# Altium PCB EgSA-Cube3.PcbDoc (part 1 of 2)
Units mm, origin at the board's own origin, x right, y up, seen from the top; angles counter-clockwise.
Board outline 152.4 x 101.6 mm, 2 copper layers (Top Layer, Bottom Layer); 172 components, 181 nets, 506 pads, 175 vias.
Unrouted connection lines stored in the file: 5.
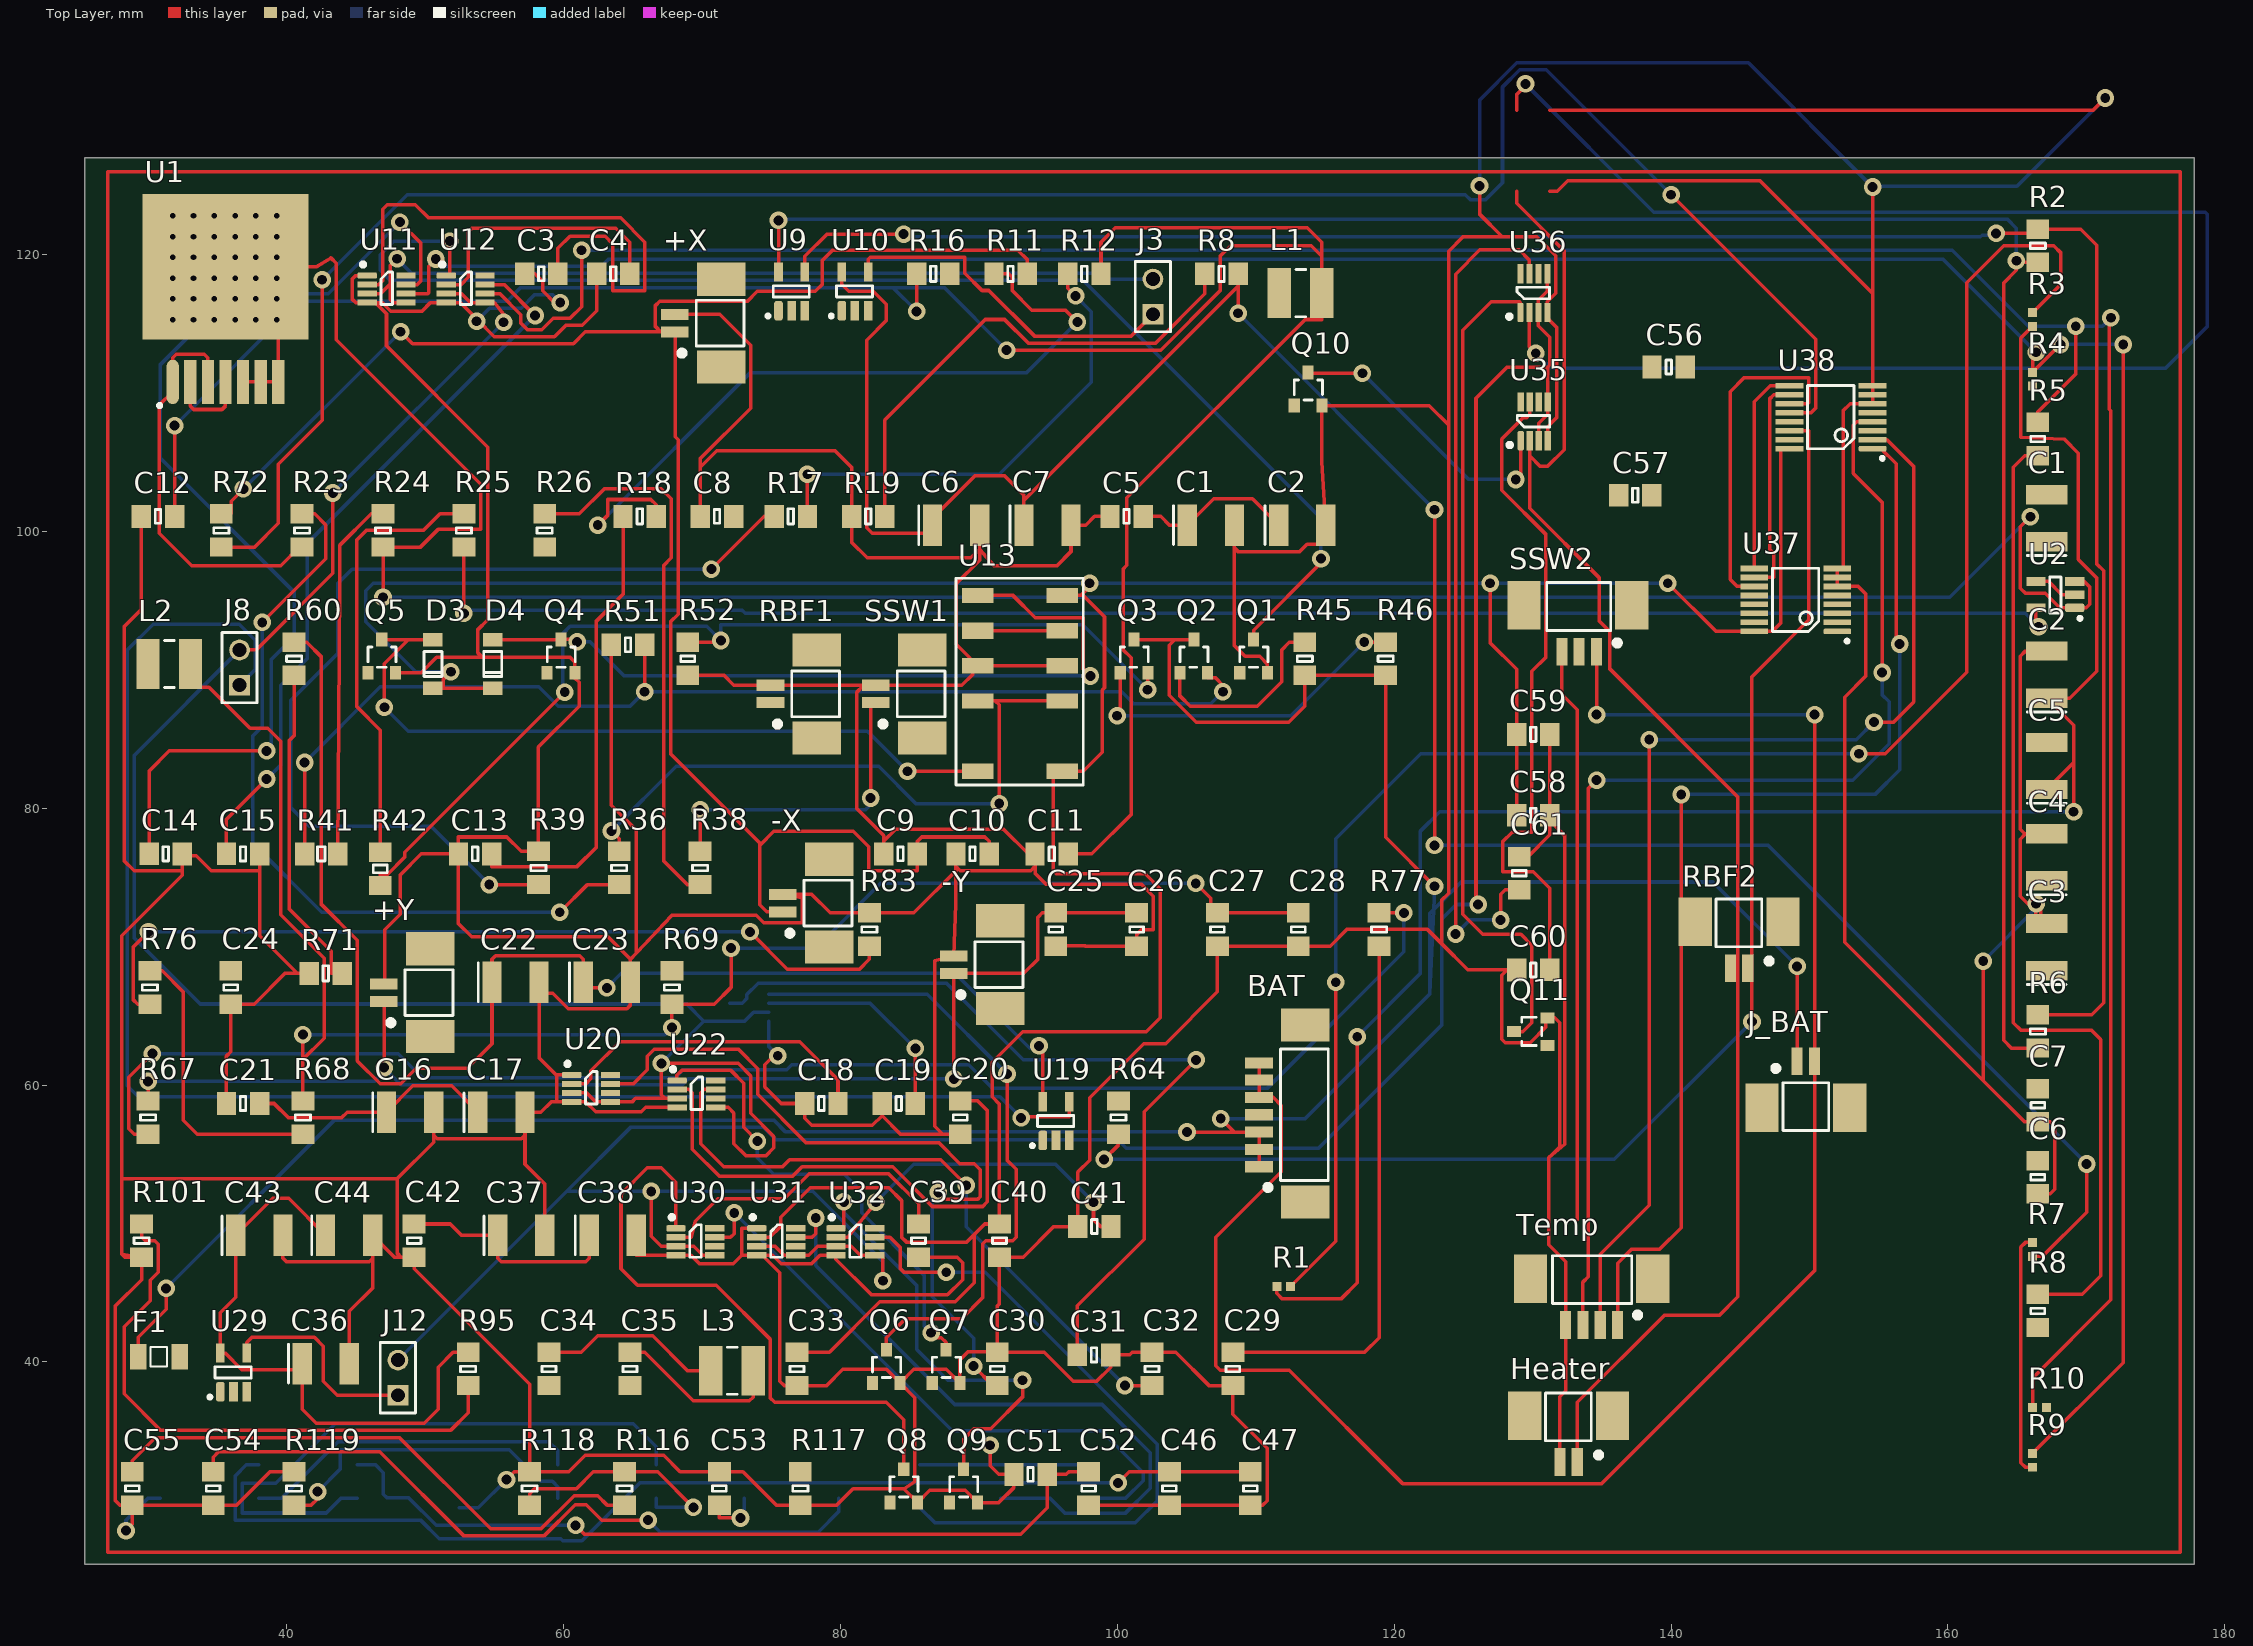
[diagram p0: Top Layer view]
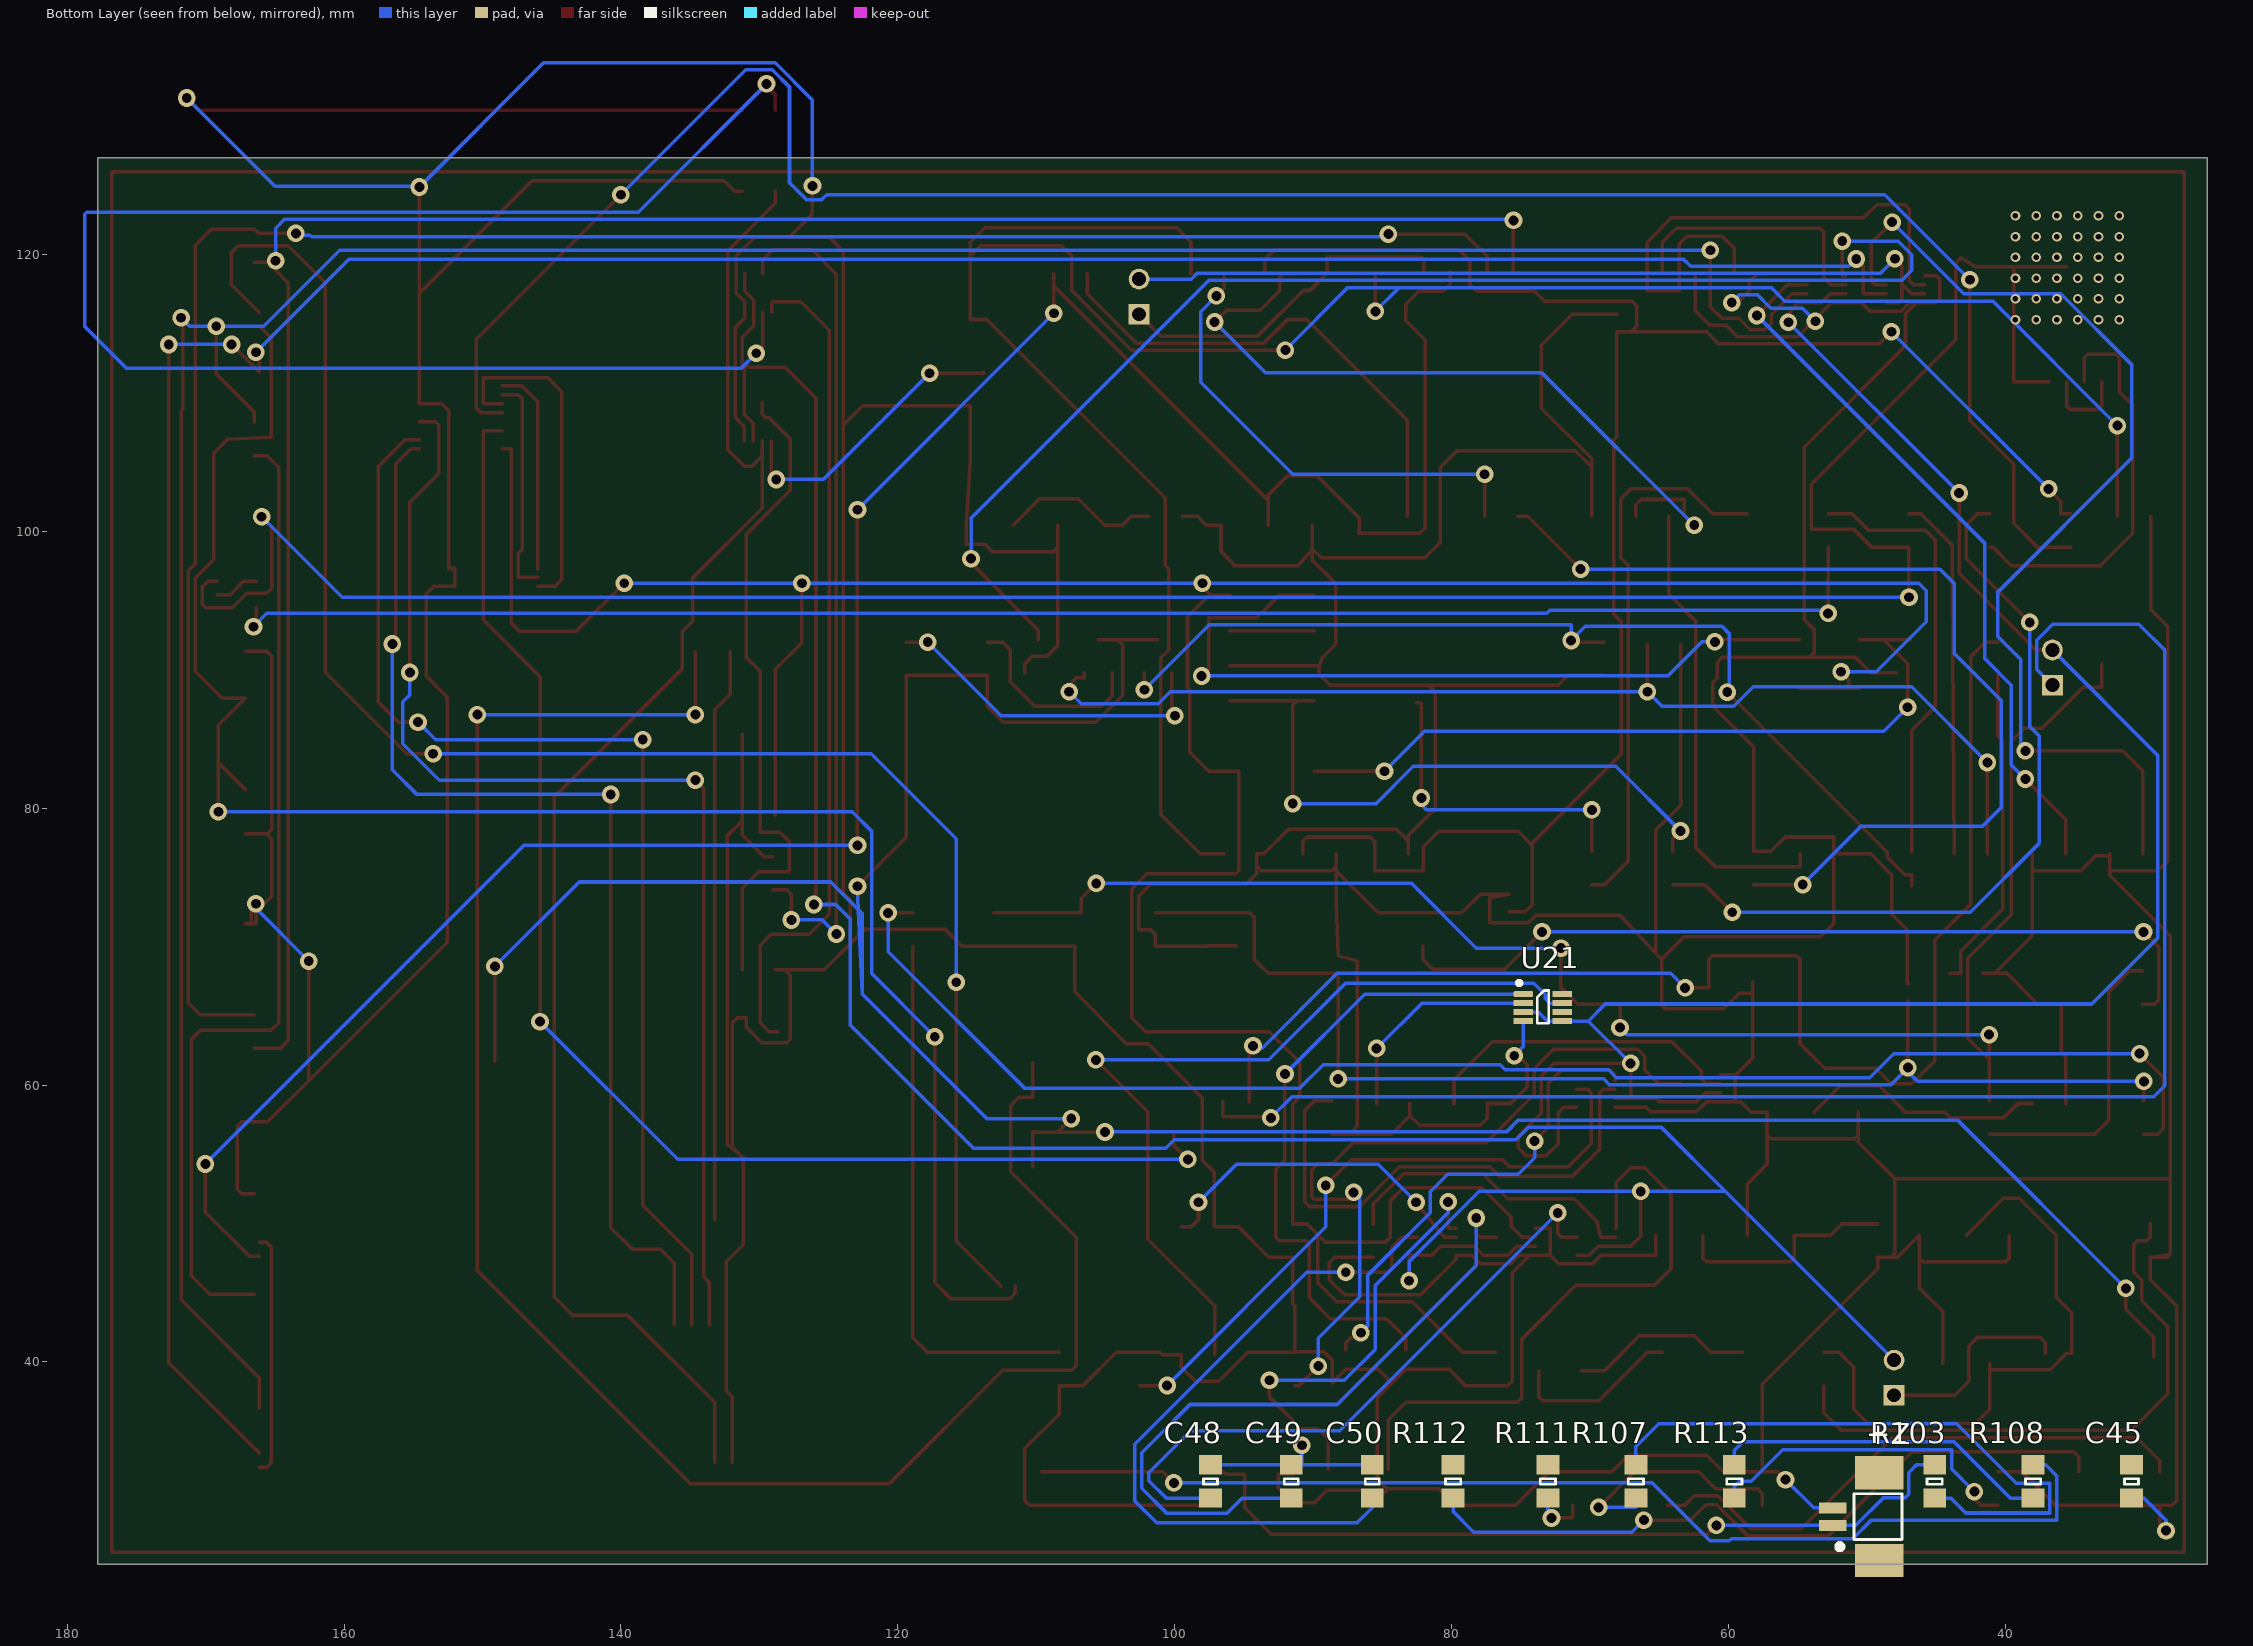
[diagram p1: Bottom Layer view, seen from below]
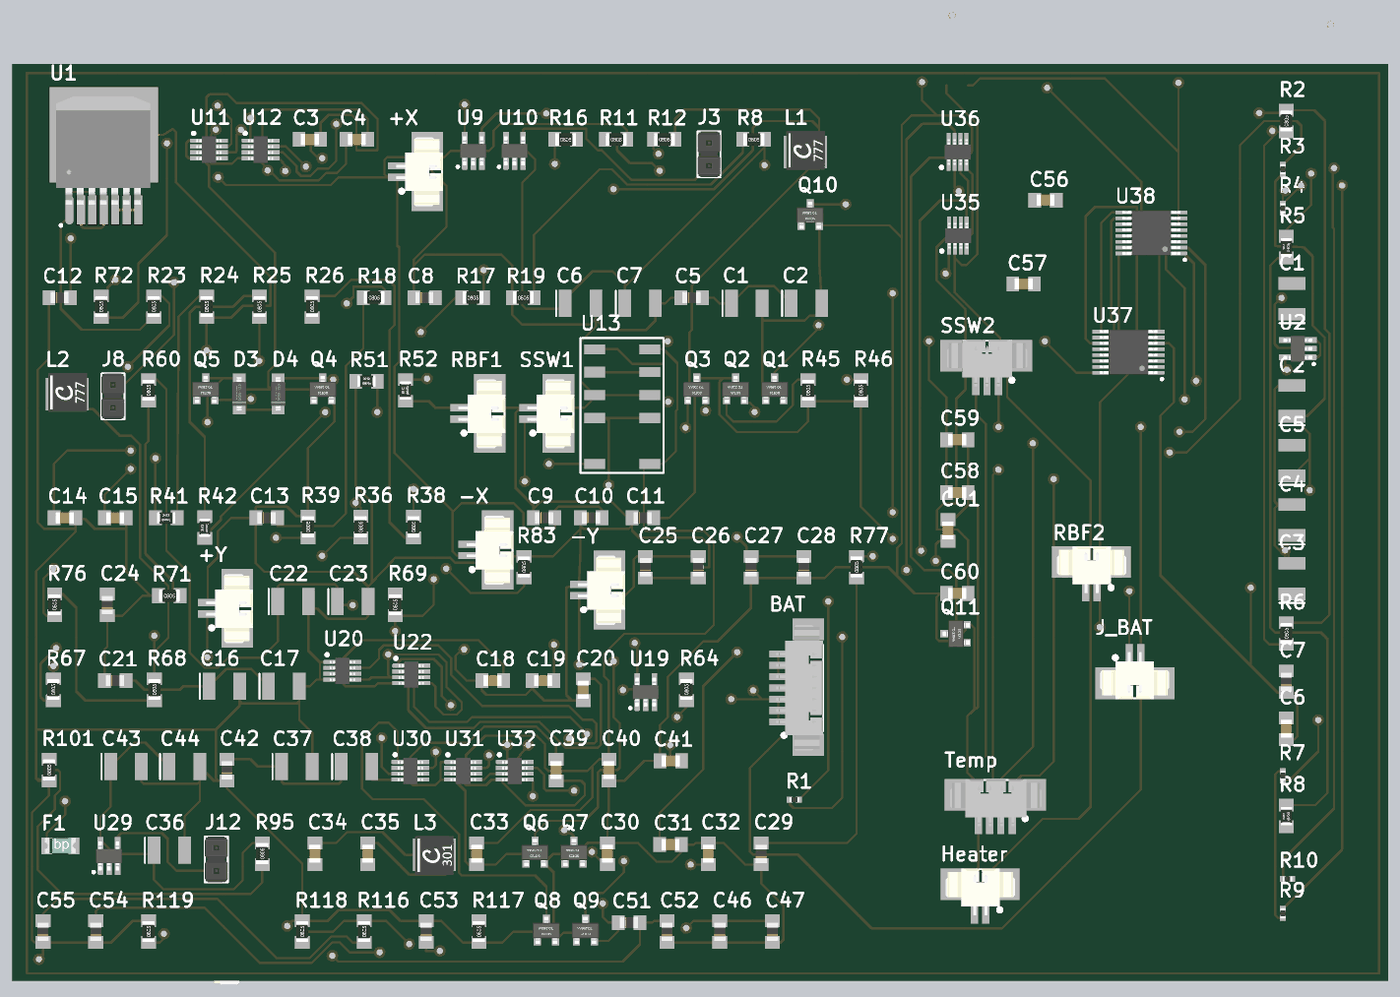
[diagram p3: 3D render of the assembled board from above, using the file's embedded part models]
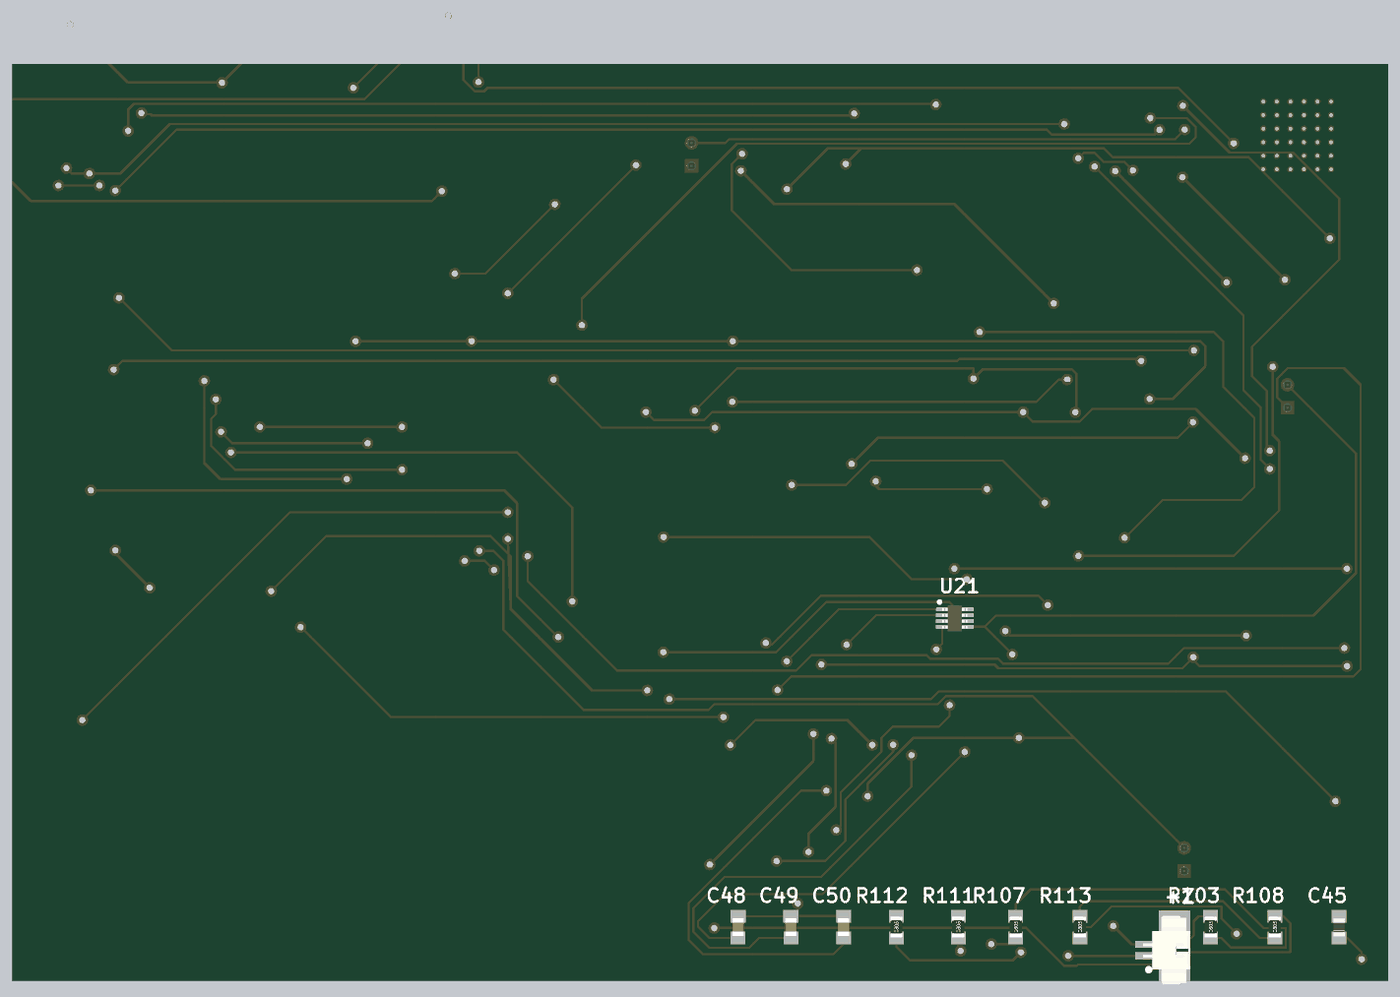
[diagram p4: 3D render of the assembled board from below, using the file's embedded part models]

## Layer stack, top to bottom
Top Solder: solder mask 0.0102, Solder Resist, Dk 3.5
Top Layer: signal copper 0.0356
Dielectric 1: dielectric 0.32, FR-4, Dk 4.8
Bottom Layer: signal copper 0.0356
Bottom Solder: solder mask 0.0102, Solder Resist, Dk 3.5

## Board outline
25.4,25.4 177.8,25.4 177.8,127 25.4,127

## Design rules (kind name [scope] priority, off if disabled: settings)
Clearance [All] p1: gap=0.254 ignorepadtopadclearanceinfootprint=FALSE except(0: Arc-Hole Track-Hole SMDPad-Hole THPad-Hole Via-Hole Fill-Hole Poly-Hole Region-Hole Text-Hole)
PolygonConnect [All] p1: connectstyle=Relief reliefconductorwidth=0.254 reliefentries=4 polygonreliefangle="90 Angle" airgapwidth=0.254
RoutingVias [All] p1: holewidth=0.711 width=1.27 viastyle="Through Hole" minholewidth=0.711 minwidth=1.27 maxholewidth=0.711 maxwidth=1.27
SolderMaskExpansion [All] p1: expansion=0.2 istentingtop=TRUE soldermaskfromhole=TRUE
Width [All] p1: maxlimit=0.254 minlimit=0.254 preferedwidth=0.254
30 further rules are at their usual default settings.

## Classes and differential pairs
component class "DC Converter": C1 C2 C3 C4 C5 C6 C7 J? R1 R2 R3 R4 R5 R6 R7 R8 R9 R10 U1 U2

## Components (designator, comment, footprint, x,y, rotation, side; value= is the part's Value field where it differs from the comment)
+X "53261-0271" 53261-0271 68.023,114.427 r90 top
+Y "53261-0271" 53261-0271 46.99,66.05 r90 top
+Z "53261-0271" 53261-0271 52.451,28.194 r90 bottom
-X "53261-0271" 53261-0271 75.819,72.517 r90 top
-Y "53261-0271" 53261-0271 88.176,68.072 r90 top
BAT "53261-0771" 53261-0771 110.236,54.102 r90 top
C1 "T520B107M006ATE018" T520B107M006ATE018 167.132,100.965 r90 top value=100uF
C1 "T591B476M010ATE070" T591B476M010ATE070 106.758,100.457 r0 top value=47uF
C2 "T520B107M006ATE018" T520B107M006ATE018 167.132,89.662 r90 top value=100uF
C2 "T591B476M010ATE070" T591B476M010ATE070 113.362,100.457 r0 top value=47uF
C3 "T520B107M006ATE018" T520B107M006ATE018 167.132,69.977 r90 top value=47uF
C3 "CL21B106KOQNNNE" CL21B106KOQNNNE 58.371,118.618 r0 top value=10uF
C4 "T520B107M006ATE018" T520B107M006ATE018 167.132,76.454 r90 top value=47uF
C4 "CL21B106KOQNNNE" CL21B106KOQNNNE 63.578,118.618 r0 top value=10uF
C5 "T520B107M006ATE018" T520B107M006ATE018 167.132,83.058 r90 top value=100uF
C5 "CL21B105KAFVPNE" CL21B105KAFVPNE 100.662,101.092 r0 top value=1uF
C6 "CL21B106KOQNNNE" CL21B106KOQNNNE 166.497,53.34 r90 top value=1uF
C6 "T520B107M006ATE018" T520B107M006ATE018 88.343,100.457 r0 top value=100uF
C7 "CGA4J1X7R1V475K125AC" CGA4J1X7R1V475K125AC 166.497,58.547 r90 top value=0.47uF
C7 "T520B107M006ATE018" T520B107M006ATE018 94.947,100.457 r0 top value=100uF
C8 "0805YC474KAT2A" 0805YC474KAT2A 71.071,101.092 r0 top value=0.47uF
C9 "CGA4J1X7R1V475K125AC" CGA4J1X7R1V475K125AC 84.328,76.708 r0 top value=4.7uF
C10 "CGA4J1X7R1V475K125AC" CGA4J1X7R1V475K125AC 89.535,76.708 r0 top value=4.7uF
C11 "C2012X5R1C226M125AC" C2012X5R1C226M125AC 95.25,76.708 r0 top value=22uF
C12 "C2012X5R1C226M125AC" C2012X5R1C226M125AC 30.685,101.092 r0 top value=22uF
C13 "VJ0805Y222KXACW1BC" VJ0805Y222KXACW1BC 53.594,76.708 r0 top value=2200pF
C14 "CL21B106KOQNNNE" CL21B106KOQNNNE 31.242,76.708 r0 top value=10uF
C15 "CL21B106KOQNNNE" CL21B106KOQNNNE 36.83,76.708 r0 top value=10uF
C16 "T591B476M010ATE070" T591B476M010ATE070 48.895,58.039 r0 top value=47uF
C17 "T591B476M010ATE070" T591B476M010ATE070 55.499,58.039 r0 top value=47uF
C18 "CL21B106KOQNNNE" CL21B106KOQNNNE 78.613,58.674 r0 top value=10uF
C19 "CL21B106KOQNNNE" CL21B106KOQNNNE 84.201,58.674 r0 top value=10uF
C20 "CL21B106KOQNNNE" CL21B106KOQNNNE 88.646,57.658 r90 top value=10uF
C21 "CL21B105KAFVPNE" CL21B105KAFVPNE 36.83,58.674 r0 top value=1uF
C22 "T520B107M006ATE018" T520B107M006ATE018 56.515,67.437 r0 top value=100uF
C23 "T520B107M006ATE018" T520B107M006ATE018 63.119,67.437 r0 top value=100uF
C24 "0805YC474KAT2A" 0805YC474KAT2A 35.941,67.056 r90 top value=0.47uF
C25 "CGA4J1X7R1V475K125AC" CGA4J1X7R1V475K125AC 95.542,71.247 r90 top value=4.7uF
C26 "CGA4J1X7R1V475K125AC" CGA4J1X7R1V475K125AC 101.384,71.247 r90 top value=4.7uF
C27 "C2012X5R1C226M125AC" C2012X5R1C226M125AC 107.226,71.247 r90 top value=22uF
C28 "C2012X5R1C226M125AC" C2012X5R1C226M125AC 113.068,71.247 r90 top value=22uF
C29 "VJ0805Y222KXACW1BC" VJ0805Y222KXACW1BC 108.342,39.497 r90 top value=2200pF
C30 "CL21B106KOQNNNE" CL21B106KOQNNNE 91.324,39.497 r90 top value=10uF
C31 "CL21B106KOQNNNE" CL21B106KOQNNNE 98.309,40.513 r0 top value=10uF
C32 "CL21B106KOQNNNE" CL21B106KOQNNNE 102.5,39.497 r90 top value=10uF
C33 "C0805C104J4RACTU" C0805C104J4RACTU 76.846,39.497 r90 top value="0.1 uF"
C34 "C0805C104J4RACTU" C0805C104J4RACTU 58.939,39.497 r90 top value="0.1 uF"
C35 "C0805C104J4RACTU" C0805C104J4RACTU 64.781,39.497 r90 top value="0.1 uF"
C36 "T520B107M006ATE018" T520B107M006ATE018 42.81,39.878 r0 top value=100uF
C37 "T591B476M010ATE070" T591B476M010ATE070 56.934,49.149 r0 top value=47uF
C38 "T591B476M010ATE070" T591B476M010ATE070 63.538,49.149 r0 top value=47uF
C39 "CL21B106KOQNNNE" CL21B106KOQNNNE 85.636,48.768 r90 top value=10uF
C40 "CL21B106KOQNNNE" CL21B106KOQNNNE 91.478,48.768 r90 top value=10uF
C41 "CL21B106KOQNNNE" CL21B106KOQNNNE 98.336,49.784 r0 top value=10uF
C42 "CL21B105KAFVPNE" CL21B105KAFVPNE 49.187,48.768 r90 top value=1uF
C43 "T520B107M006ATE018" T520B107M006ATE018 38.011,49.149 r0 top value=100uF
C44 "T520B107M006ATE018" T520B107M006ATE018 44.488,49.149 r0 top value=100uF
C45 "0805YC474KAT2A" 0805YC474KAT2A 30.861,31.369 r90 bottom value=0.47uF
C46 "C2012X5R1C226M125AC" C2012X5R1C226M125AC 103.759,30.861 r90 top value=22uF
C47 "C2012X5R1C226M125AC" C2012X5R1C226M125AC 109.601,30.861 r90 top value=22uF
C48 "CL21B106KOQNNNE" CL21B106KOQNNNE 97.409,31.369 r90 bottom value=10uF
C49 "CL21B106KOQNNNE" CL21B106KOQNNNE 91.567,31.369 r90 bottom value=10uF
C50 "CL21B106KOQNNNE" CL21B106KOQNNNE 85.725,31.369 r90 bottom value=10uF
C51 "C2012X5R1A476M125AC" C2012X5R1A476M125AC 93.726,31.877 r0 top value=47uF
C52 "CL21B105KAFVPNE" CL21B105KAFVPNE 97.917,30.861 r90 top value=1uF
C53 "CGA4J1X7R1V475K125AC" CGA4J1X7R1V475K125AC 71.247,30.861 r90 top value=4.7uF
C54 "VJ0805Y681JXXCW1BC" VJ0805Y681JXXCW1BC 34.671,30.861 r90 top value=680pF
C55 "C0805C472K4RAC7800" C0805C472K4RAC7800 28.829,30.861 r90 top value=4700pF
C56 "CL21B106KOQNNNE" CL21B106KOQNNNE 139.827,111.887 r180 top value=10uF
C57 "CL21B106KOQNNNE" CL21B106KOQNNNE 137.414,102.616 r180 top value=10uF
C58 "C0805C104J4RACTU" C0805C104J4RACTU 130.048,79.502 r180 top value="0.1 uF"
C59 "C0805C104J4RACTU" C0805C104J4RACTU 130.048,85.344 r180 top value="0.1 uF"
C60 "CL21B106KOQNNNE" CL21B106KOQNNNE 130.048,68.326 r180 top value=10uF
C61 "CL21B106KOQNNNE" CL21B106KOQNNNE 129.032,75.311 r90 top value=10uF
D3 "MMSD459A" MMSD459A 50.546,90.424 r90 top
D4 "MMSD459A" MMSD459A 54.864,90.424 r90 top
F1 "1206L500/12SLPR" 1206L500/12SLPR 30.745,40.386 r0 top
Heater "53261-0271" 53261-0271 133.223,32.766 r180 top
J3 "ESW-102-13-L-S" ESW-102-13-L-S 102.567,115.697 r90 top
J8 "ESW-102-13-L-S" ESW-102-13-L-S 36.576,88.9 r90 top
J12 "ESW-102-13-L-S" ESW-102-13-L-S 48.017,37.592 r90 top
J_BAT "53261-0271" 53261-0271 149.108,61.722 r0 top
L1 "XEL4020-152MEB" XEL4020-152MEB 113.235,117.221 r0 top value=1.5uH
L2 "XEL4020-152MEB" XEL4020-152MEB 31.496,90.424 r0 top value=1.5uH
L3 "XEL4030-332MEC" XEL4030-332MEC 72.147,39.37 r0 top value=3.3uH
Q1 "SMMBT3904LT3G" SMMBT3904LT3G 108.839,89.789 r0 top
Q2 "CMPT404A TR" "CMPT404A TR" 104.521,89.789 r0 top
Q3 "CMPT404A TR" "CMPT404A TR" 100.203,89.789 r0 top
Q4 "SMMBT3904LT3G" SMMBT3904LT3G 58.801,89.789 r0 top
Q5 "SMMBT3904LT3G" SMMBT3904LT3G 45.847,89.789 r0 top
Q6 "SMMBT3904LT3G" SMMBT3904LT3G 82.307,38.481 r0 top
Q7 "SMMBT3904LT3G" SMMBT3904LT3G 86.625,38.481 r0 top
Q8 "SMMBT3904LT3G" SMMBT3904LT3G 83.566,29.845 r0 top
Q9 "SMMBT3904LT3G" SMMBT3904LT3G 87.884,29.845 r0 top
Q10 "SMMBT3904LT3G" SMMBT3904LT3G 112.776,109.093 r0 top
Q11 "SMMBT3904LT3G" SMMBT3904LT3G 131.064,62.865 r90 top
R1 "Resistor 4k7 +/-1% 0402 63 mW" RESC1005X40X25ML05T05 112.014,45.466 r0 top value=0.04
R2 "CRCW08055K62FKEAHP" CRCW08055K62FKEAHP 166.497,120.65 r90 top value=5.62K
R3 "Resistor 4k7 +/-1% 0402 63 mW" RESC1005X40X25ML05T05 166.116,115.316 r90 top value=0.04
R4 "Resistor 4k7 +/-1% 0402 63 mW" RESC1005X40X25ML05T05 166.116,110.998 r90 top value=100
R5 "ERJ-P06F1002V" ERJ-P06F1002V 166.497,106.68 r90 top value=10K
R6 "ERJ-P06F1071V" ERJ-P06F1071V 166.497,63.881 r90 top value=1.07K
R7 "Resistor 4k7 +/-1% 0402 63 mW" RESC1005X40X25ML05T05 166.116,48.133 r90 top value=1k
R8 "ERJ-P06F1002V" ERJ-P06F1002V 166.497,43.688 r90 top value=10K
R8 "ERJ-P06F3401V" ERJ-P06F3401V 107.52,118.618 r0 top value=3.4K
R9 "Resistor 4k7 +/-1% 0402 63 mW" RESC1005X40X25ML05T05 166.116,32.893 r90 top value=4.7k
R10 "Resistor 4k7 +/-1% 0402 63 mW" RESC1005X40X25ML05T05 166.624,36.703 r180 top value=1k
R11 "RK73H2ATTD2263F" RK73H2ATTD2263F 92.28,118.618 r0 top value=226K
R12 "RT0805BRD071M17L" RT0805BRD071M17L 97.614,118.618 r0 top value=1.17M
R16 "CRCW0805100KFKEAHP" CRCW0805100KFKEAHP 86.692,118.618 r0 top value=100K
R17 "CRCW08050000Z0EAHP" CRCW08050000Z0EAHP 76.405,101.092 r0 top value=0
R18 "CRCW08052K00FKEAHP" CRCW08052K00FKEAHP 65.483,101.092 r0 top value=2K
R19 "ERJ-P06F1071V" ERJ-P06F1071V 81.993,101.092 r0 top value=1.07K
R23 "CRCW0805100KFKEAHP" CRCW0805100KFKEAHP 41.099,100.076 r90 top value=100K
R24 "CRCW0805100KFKEAHP" CRCW0805100KFKEAHP 46.941,100.076 r90 top value=100K
R25 "CRCW0805100KFKEAHP" CRCW0805100KFKEAHP 52.783,100.076 r90 top value=100K
R26 "CRCW0805100KFKEAHP" CRCW0805100KFKEAHP 58.625,100.076 r90 top value=100K
R36 "CRCW0805100KFKEAHP" CRCW0805100KFKEAHP 64.008,75.692 r90 top value=100K
R38 "CRCW0805100KFKEAHP" CRCW0805100KFKEAHP 69.85,75.692 r90 top value=100K
R39 "CRCW0805100KFKEAHP" CRCW0805100KFKEAHP 58.166,75.692 r90 top value=100K
R41 "HCJ0805ZT0R00" HCJ0805ZT0R00 41.275,76.708 r0 top value=0
R42 "HCJ0805ZT0R00" HCJ0805ZT0R00 46.736,74.422 r90 top value=0
R45 "CRCW0805100KFKEAHP" CRCW0805100KFKEAHP 113.538,90.805 r90 top value=100K
R46 "CRCW0805100KFKEAHP" CRCW0805100KFKEAHP 119.38,90.805 r90 top value=100K
R51 "ERJ-P6WF2702V" ERJ-P6WF2702V 64.643,91.821 r0 top value=27K
R52 "ERJ-P6WF2702V" ERJ-P6WF2702V 68.961,90.805 r90 top value=27K
R60 "ERJ-P06F3401V" ERJ-P06F3401V 40.513,90.805 r90 top value=3.4K
R64 "CRCW080520K0FKEAHP" CRCW080520K0FKEAHP 100.076,57.658 r90 top value=20K
R67 "ERJ-P06F1913V" ERJ-P06F1913V 29.972,57.658 r90 top value=191K
R68 "RT0805BRD071M17L" RT0805BRD071M17L 41.148,57.658 r90 top value=1.17M
R69 "CRCW0805100KFKEAHP" CRCW0805100KFKEAHP 67.818,67.056 r90 top value=100K
R71 "ERJ-P06F1071V" ERJ-P06F1071V 42.799,68.072 r0 top value=1.07K
R72 "CRCW080520K0FKEAHP" CRCW080520K0FKEAHP 35.257,100.076 r90 top value=20K
R76 "CRCW08050000Z0EAHP" CRCW08050000Z0EAHP 30.099,67.056 r90 top value=0
R77 "CRCW08052K00FKEAHP" CRCW08052K00FKEAHP 118.91,71.247 r90 top value=2K
R83 "CRCW0805100KFKEAHP" CRCW0805100KFKEAHP 82.08,71.247 r90 top value=100K
R95 "CRCW08055K62FKEAHP" CRCW08055K62FKEAHP 53.097,39.497 r90 top value=5.62K
R101 "ERJ-P06F1071V" ERJ-P06F1071V 29.502,48.768 r90 top value=1.07K
R103 "CRCW0805470KFKEAHP" CRCW0805470KFKEAHP 45.085,31.369 r90 bottom value=470K